# Altium PCB mantarray_beta2_sensor_arrayed.PcbDoc (part 1 of 14) (continued)
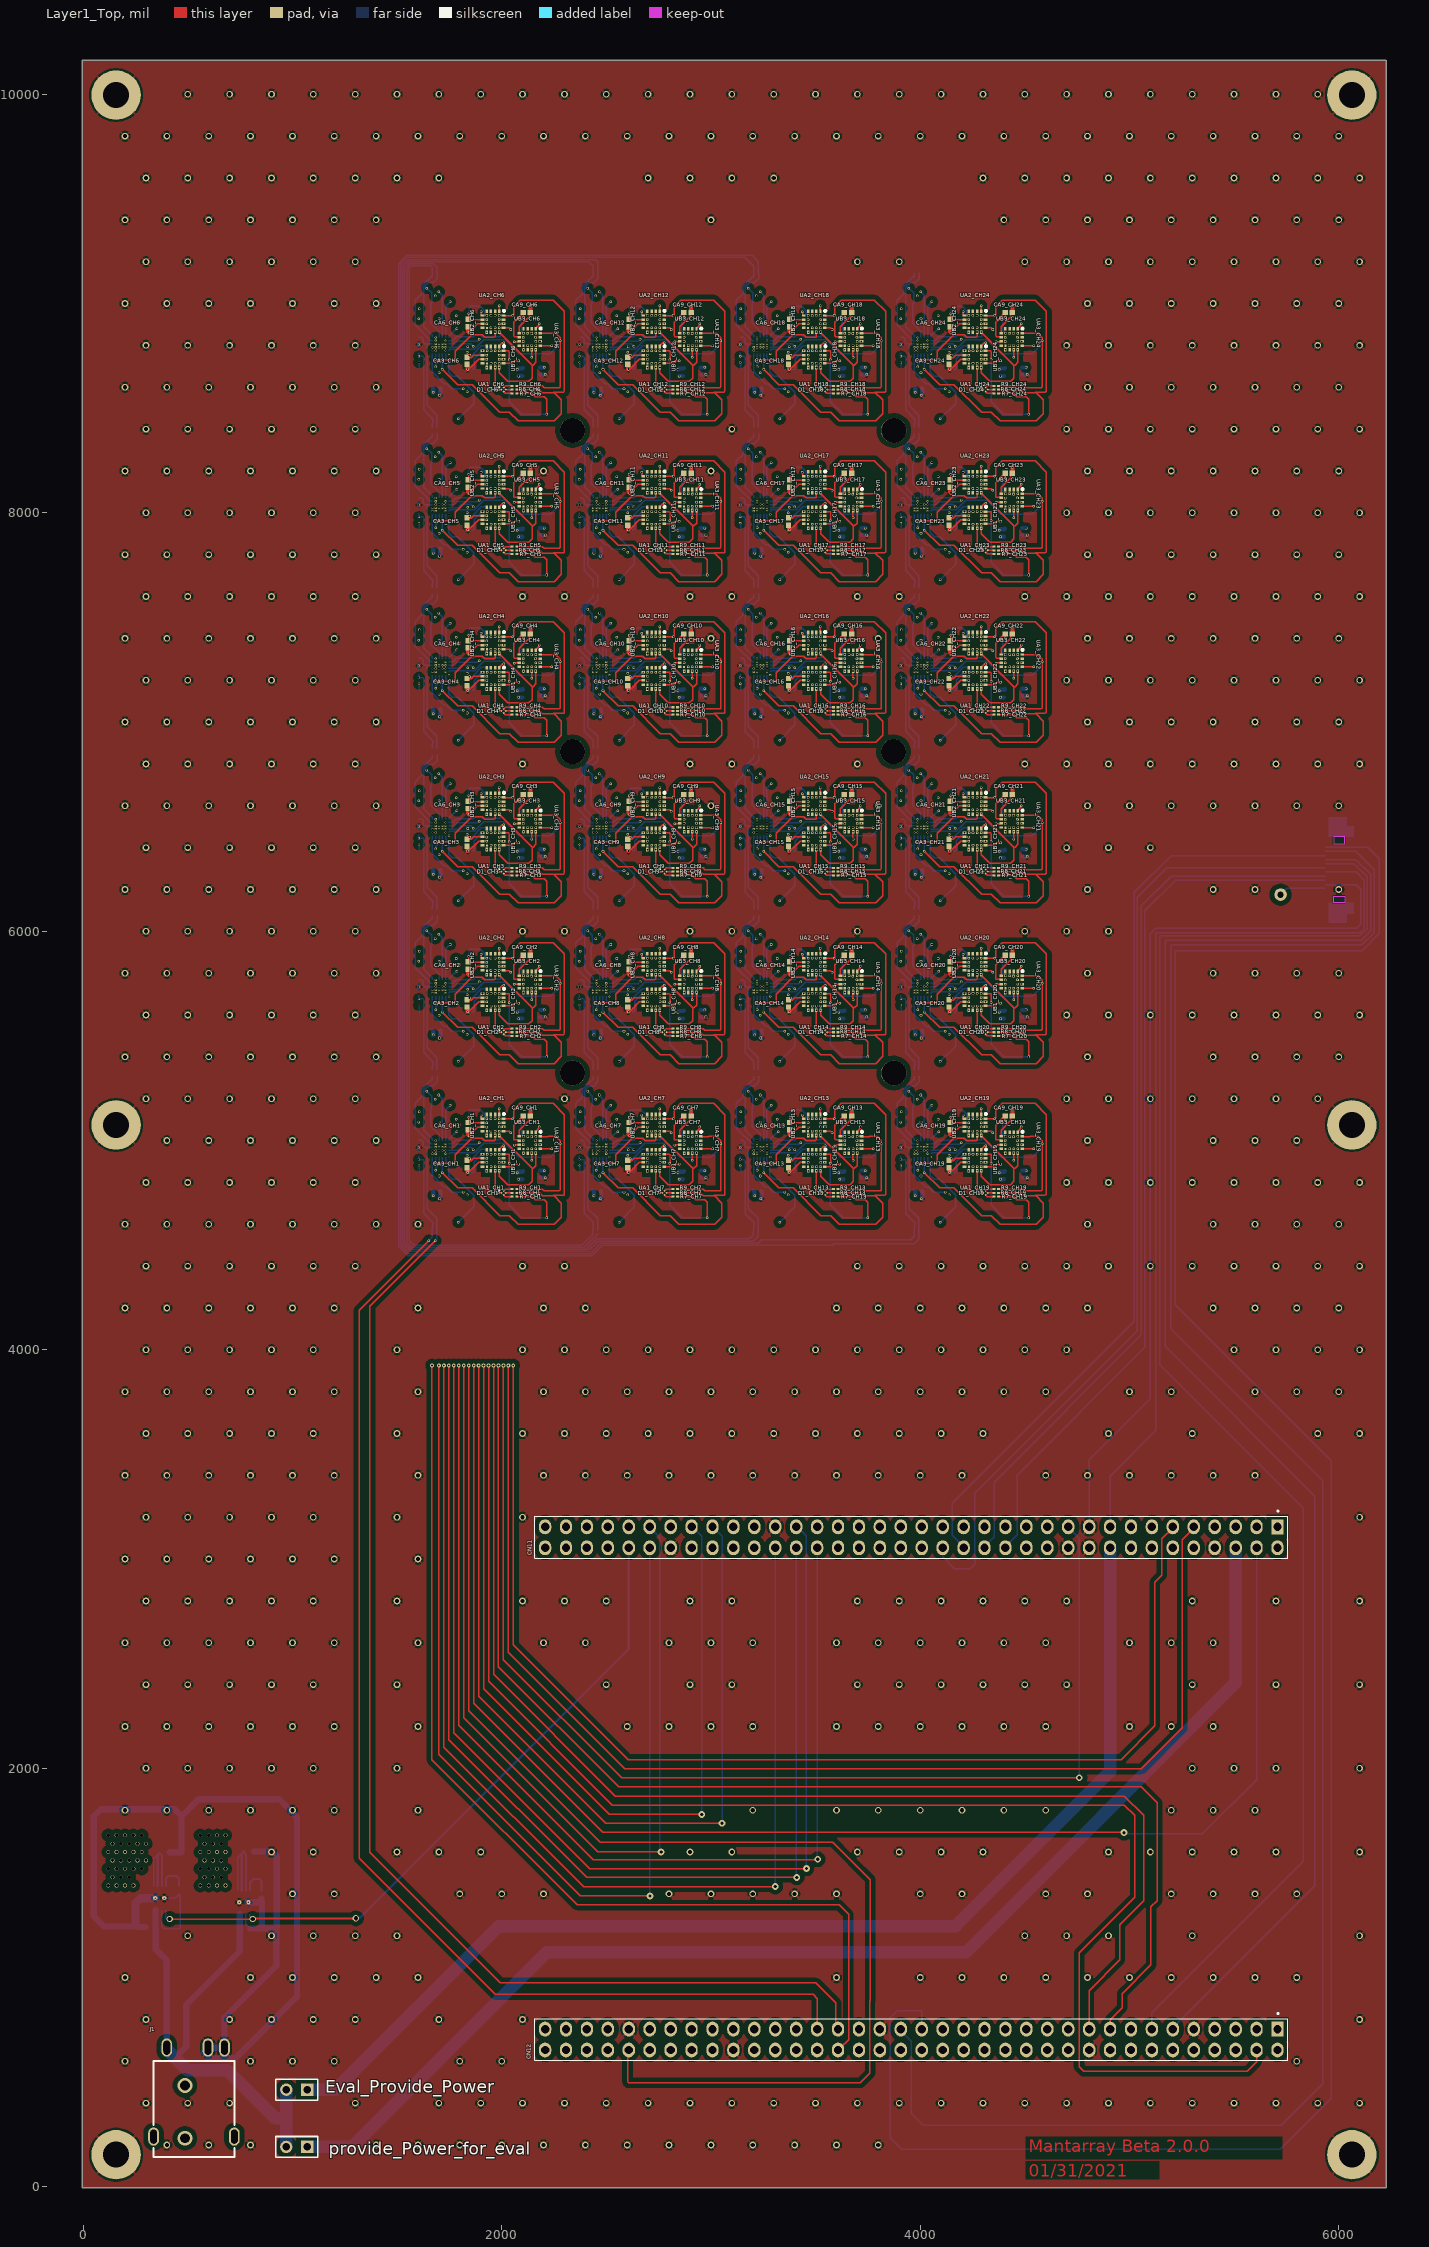
[diagram p0: Layer1_Top view]
## Classes and differential pairs
component class CH24: C1_CH24 C2_CH24 C3_CH24 CA3_CH24 CA6_CH24 CA9_CH24 D1_CH24 R7_CH24 R8_CH24 R9_CH24 R_bt0_CH24 R_rst_CH24 U1_CH24 UA1_CH24 UA2_CH24 UA3_CH24 UB1_CH24 UB2_CH24 UB3_CH24
component class CH23: C1_CH23 C2_CH23 C3_CH23 CA3_CH23 CA6_CH23 CA9_CH23 D1_CH23 R7_CH23 R8_CH23 R9_CH23 R_bt0_CH23 R_rst_CH23 U1_CH23 UA1_CH23 UA2_CH23 UA3_CH23 UB1_CH23 UB2_CH23 UB3_CH23
component class CH22: C1_CH22 C2_CH22 C3_CH22 CA3_CH22 CA6_CH22 CA9_CH22 D1_CH22 R7_CH22 R8_CH22 R9_CH22 R_bt0_CH22 R_rst_CH22 U1_CH22 UA1_CH22 UA2_CH22 UA3_CH22 UB1_CH22 UB2_CH22 UB3_CH22
component class CH21: C1_CH21 C2_CH21 C3_CH21 CA3_CH21 CA6_CH21 CA9_CH21 D1_CH21 R7_CH21 R8_CH21 R9_CH21 R_bt0_CH21 R_rst_CH21 U1_CH21 UA1_CH21 UA2_CH21 UA3_CH21 UB1_CH21 UB2_CH21 UB3_CH21
component class CH20: C1_CH20 C2_CH20 C3_CH20 CA3_CH20 CA6_CH20 CA9_CH20 D1_CH20 R7_CH20 R8_CH20 R9_CH20 R_bt0_CH20 R_rst_CH20 U1_CH20 UA1_CH20 UA2_CH20 UA3_CH20 UB1_CH20 UB2_CH20 UB3_CH20
component class CH19: C1_CH19 C2_CH19 C3_CH19 CA3_CH19 CA6_CH19 CA9_CH19 D1_CH19 R7_CH19 R8_CH19 R9_CH19 R_bt0_CH19 R_rst_CH19 U1_CH19 UA1_CH19 UA2_CH19 UA3_CH19 UB1_CH19 UB2_CH19 UB3_CH19
component class CH18: C1_CH18 C2_CH18 C3_CH18 CA3_CH18 CA6_CH18 CA9_CH18 D1_CH18 R7_CH18 R8_CH18 R9_CH18 R_bt0_CH18 R_rst_CH18 U1_CH18 UA1_CH18 UA2_CH18 UA3_CH18 UB1_CH18 UB2_CH18 UB3_CH18
component class CH17: C1_CH17 C2_CH17 C3_CH17 CA3_CH17 CA6_CH17 CA9_CH17 D1_CH17 R7_CH17 R8_CH17 R9_CH17 R_bt0_CH17 R_rst_CH17 U1_CH17 UA1_CH17 UA2_CH17 UA3_CH17 UB1_CH17 UB2_CH17 UB3_CH17
component class CH10: C1_CH10 C2_CH10 C3_CH10 CA3_CH10 CA6_CH10 CA9_CH10 D1_CH10 R7_CH10 R8_CH10 R9_CH10 R_bt0_CH10 R_rst_CH10 U1_CH10 UA1_CH10 UA2_CH10 UA3_CH10 UB1_CH10 UB2_CH10 UB3_CH10
component class CH9: C1_CH9 C2_CH9 C3_CH9 CA3_CH9 CA6_CH9 CA9_CH9 D1_CH9 R7_CH9 R8_CH9 R9_CH9 R_bt0_CH9 R_rst_CH9 U1_CH9 UA1_CH9 UA2_CH9 UA3_CH9 UB1_CH9 UB2_CH9 UB3_CH9
component class CH8: C1_CH8 C2_CH8 C3_CH8 CA3_CH8 CA6_CH8 CA9_CH8 D1_CH8 R7_CH8 R8_CH8 R9_CH8 R_bt0_CH8 R_rst_CH8 U1_CH8 UA1_CH8 UA2_CH8 UA3_CH8 UB1_CH8 UB2_CH8 UB3_CH8
component class CH7: C1_CH7 C2_CH7 C3_CH7 CA3_CH7 CA6_CH7 CA9_CH7 D1_CH7 R7_CH7 R8_CH7 R9_CH7 R_bt0_CH7 R_rst_CH7 U1_CH7 UA1_CH7 UA2_CH7 UA3_CH7 UB1_CH7 UB2_CH7 UB3_CH7
component class CH6: C1_CH6 C2_CH6 C3_CH6 CA3_CH6 CA6_CH6 CA9_CH6 D1_CH6 R7_CH6 R8_CH6 R9_CH6 R_bt0_CH6 R_rst_CH6 U1_CH6 UA1_CH6 UA2_CH6 UA3_CH6 UB1_CH6 UB2_CH6 UB3_CH6
component class CH5: C1_CH5 C2_CH5 C3_CH5 CA3_CH5 CA6_CH5 CA9_CH5 D1_CH5 R7_CH5 R8_CH5 R9_CH5 R_bt0_CH5 R_rst_CH5 U1_CH5 UA1_CH5 UA2_CH5 UA3_CH5 UB1_CH5 UB2_CH5 UB3_CH5
component class CH4: C1_CH4 C2_CH4 C3_CH4 CA3_CH4 CA6_CH4 CA9_CH4 D1_CH4 R7_CH4 R8_CH4 R9_CH4 R_bt0_CH4 R_rst_CH4 U1_CH4 UA1_CH4 UA2_CH4 UA3_CH4 UB1_CH4 UB2_CH4 UB3_CH4
component class CH3: C1_CH3 C2_CH3 C3_CH3 CA3_CH3 CA6_CH3 CA9_CH3 D1_CH3 R7_CH3 R8_CH3 R9_CH3 R_bt0_CH3 R_rst_CH3 U1_CH3 UA1_CH3 UA2_CH3 UA3_CH3 UB1_CH3 UB2_CH3 UB3_CH3
component class CH2: C1_CH2 C2_CH2 C3_CH2 CA3_CH2 CA6_CH2 CA9_CH2 D1_CH2 R7_CH2 R8_CH2 R9_CH2 R_bt0_CH2 R_rst_CH2 U1_CH2 UA1_CH2 UA2_CH2 UA3_CH2 UB1_CH2 UB2_CH2 UB3_CH2
component class CH1: C1_CH1 C2_CH1 C3_CH1 CA3_CH1 CA6_CH1 CA9_CH1 D1_CH1 R7_CH1 R8_CH1 R9_CH1 R_bt0_CH1 R_rst_CH1 U1_CH1 UA1_CH1 UA2_CH1 UA3_CH1 UB1_CH1 UB2_CH1 UB3_CH1
net class BUS_C[7..0]: BUS_C0 BUS_C1 BUS_C2 BUS_C3 BUS_C4 BUS_C5 BUS_C6 BUS_C7
net class BUS[15..0]: BUS0 BUS1 BUS2 BUS3 BUS4 BUS5 BUS6 BUS7 BUS8 BUS9 BUS10 BUS11 BUS12 BUS13 BUS14 BUS15
component class STM32H745: Barcode_reader CN11 CN12 CN? Eval_Provide_Power HW? provide_Power_for_eval SB?
component class CH16: C1_CH16 C2_CH16 C3_CH16 CA3_CH16 CA6_CH16 CA9_CH16 D1_CH16 R7_CH16 R8_CH16 R9_CH16 R_bt0_CH16 R_rst_CH16 U1_CH16 UA1_CH16 UA2_CH16 UA3_CH16 UB1_CH16 UB2_CH16 UB3_CH16
component class CH15: C1_CH15 C2_CH15 C3_CH15 CA3_CH15 CA6_CH15 CA9_CH15 D1_CH15 R7_CH15 R8_CH15 R9_CH15 R_bt0_CH15 R_rst_CH15 U1_CH15 UA1_CH15 UA2_CH15 UA3_CH15 UB1_CH15 UB2_CH15 UB3_CH15
component class CH14: C1_CH14 C2_CH14 C3_CH14 CA3_CH14 CA6_CH14 CA9_CH14 D1_CH14 R7_CH14 R8_CH14 R9_CH14 R_bt0_CH14 R_rst_CH14 U1_CH14 UA1_CH14 UA2_CH14 UA3_CH14 UB1_CH14 UB2_CH14 UB3_CH14
component class CH13: C1_CH13 C2_CH13 C3_CH13 CA3_CH13 CA6_CH13 CA9_CH13 D1_CH13 R7_CH13 R8_CH13 R9_CH13 R_bt0_CH13 R_rst_CH13 U1_CH13 UA1_CH13 UA2_CH13 UA3_CH13 UB1_CH13 UB2_CH13 UB3_CH13
component class CH12: C1_CH12 C2_CH12 C3_CH12 CA3_CH12 CA6_CH12 CA9_CH12 D1_CH12 R7_CH12 R8_CH12 R9_CH12 R_bt0_CH12 R_rst_CH12 U1_CH12 UA1_CH12 UA2_CH12 UA3_CH12 UB1_CH12 UB2_CH12 UB3_CH12
component class CH11: C1_CH11 C2_CH11 C3_CH11 CA3_CH11 CA6_CH11 CA9_CH11 D1_CH11 R7_CH11 R8_CH11 R9_CH11 R_bt0_CH11 R_rst_CH11 U1_CH11 UA1_CH11 UA2_CH11 UA3_CH11 UB1_CH11 UB2_CH11 UB3_CH11
channel class Channel: CH1 CH2 CH3 CH4 CH5 CH6 CH7 CH8 CH9 CH10 CH11 CH12 CH13 CH14 CH15 CH16 CH17 CH18 CH19 CH20 CH21 CH22 CH23 CH24
channel class ADP1706_3p3: AVDD DVDD
net class Power: +5V AVDD AVDD_DVDD DVDD_CH2 DVDD_CH3 GND
component class mantarray_beta2_sensor: J1
component class DVDD: C71_DVDD C72_DVDD C73_DVDD U14_DVDD
component class AVDD: C71_AVDD C72_AVDD C73_AVDD U14_AVDD

## Components (designator, comment, footprint, x,y, rotation, side; value= is the part's Value field where it differs from the comment)
Barcode_reader "52746-1271" MOLX-52746-1271 5968.5,6293.31 r270 bottom
C1_CH1 "GRM155R71C104KA88D" CAPC1005X55X25NL05T10 1688.98,4757.87 r180 bottom (schematic designator C1)
C1_CH2 "GRM155R71C104KA88D" CAPC1005X55X25NL05T10 1688.98,5525.59 r180 bottom (schematic designator C1)
C1_CH3 "GRM155R71C104KA88D" CAPC1005X55X25NL05T10 1688.98,6293.31 r180 bottom (schematic designator C1)
C1_CH4 "GRM155R71C104KA88D" CAPC1005X55X25NL05T10 1688.98,7061.02 r180 bottom (schematic designator C1)
C1_CH5 "GRM155R71C104KA88D" CAPC1005X55X25NL05T10 1688.98,7828.74 r180 bottom (schematic designator C1)
C1_CH6 "GRM155R71C104KA88D" CAPC1005X55X25NL05T10 1688.98,8596.46 r180 bottom (schematic designator C1)
C1_CH7 "GRM155R71C104KA88D" CAPC1005X55X25NL05T10 2456.69,4757.87 r180 bottom (schematic designator C1)
C1_CH8 "GRM155R71C104KA88D" CAPC1005X55X25NL05T10 2456.69,5525.59 r180 bottom (schematic designator C1)
C1_CH9 "GRM155R71C104KA88D" CAPC1005X55X25NL05T10 2456.69,6293.31 r180 bottom (schematic designator C1)
C1_CH10 "GRM155R71C104KA88D" CAPC1005X55X25NL05T10 2456.69,7061.02 r180 bottom (schematic designator C1)
C1_CH11 "GRM155R71C104KA88D" CAPC1005X55X25NL05T10 2456.69,7828.74 r180 bottom (schematic designator C1)
C1_CH12 "GRM155R71C104KA88D" CAPC1005X55X25NL05T10 2456.69,8596.46 r180 bottom (schematic designator C1)
C1_CH13 "GRM155R71C104KA88D" CAPC1005X55X25NL05T10 3224.41,4757.87 r180 bottom (schematic designator C1)
C1_CH14 "GRM155R71C104KA88D" CAPC1005X55X25NL05T10 3224.41,5525.59 r180 bottom (schematic designator C1)
C1_CH15 "GRM155R71C104KA88D" CAPC1005X55X25NL05T10 3224.41,6293.31 r180 bottom (schematic designator C1)
C1_CH16 "GRM155R71C104KA88D" CAPC1005X55X25NL05T10 3224.41,7061.02 r180 bottom (schematic designator C1)
C1_CH17 "GRM155R71C104KA88D" CAPC1005X55X25NL05T10 3224.41,7828.74 r180 bottom (schematic designator C1)
C1_CH18 "GRM155R71C104KA88D" CAPC1005X55X25NL05T10 3224.41,8596.46 r180 bottom (schematic designator C1)
C1_CH19 "GRM155R71C104KA88D" CAPC1005X55X25NL05T10 3992.13,4757.87 r180 bottom (schematic designator C1)
C1_CH20 "GRM155R71C104KA88D" CAPC1005X55X25NL05T10 3992.13,5525.59 r180 bottom (schematic designator C1)
C1_CH21 "GRM155R71C104KA88D" CAPC1005X55X25NL05T10 3992.13,6293.31 r180 bottom (schematic designator C1)
C1_CH22 "GRM155R71C104KA88D" CAPC1005X55X25NL05T10 3992.13,7061.02 r180 bottom (schematic designator C1)
C1_CH23 "GRM155R71C104KA88D" CAPC1005X55X25NL05T10 3992.13,7828.74 r180 bottom (schematic designator C1)
C1_CH24 "GRM155R71C104KA88D" CAPC1005X55X25NL05T10 3992.13,8596.46 r180 bottom (schematic designator C1)
C2_CH1 "GRM155R71C104KA88D" CAPC1005X55X25NL05T10 2183.07,4838.58 r90 bottom (schematic designator C2)
C2_CH2 "GRM155R71C104KA88D" CAPC1005X55X25NL05T10 2183.07,5606.3 r90 bottom (schematic designator C2)
C2_CH3 "GRM155R71C104KA88D" CAPC1005X55X25NL05T10 2183.07,6374.02 r90 bottom (schematic designator C2)
C2_CH4 "GRM155R71C104KA88D" CAPC1005X55X25NL05T10 2183.07,7141.73 r90 bottom (schematic designator C2)
C2_CH5 "GRM155R71C104KA88D" CAPC1005X55X25NL05T10 2183.07,7909.45 r90 bottom (schematic designator C2)
C2_CH6 "GRM155R71C104KA88D" CAPC1005X55X25NL05T10 2183.07,8677.17 r90 bottom (schematic designator C2)
C2_CH7 "GRM155R71C104KA88D" CAPC1005X55X25NL05T10 2950.79,4838.58 r90 bottom (schematic designator C2)
C2_CH8 "GRM155R71C104KA88D" CAPC1005X55X25NL05T10 2950.79,5606.3 r90 bottom (schematic designator C2)
C2_CH9 "GRM155R71C104KA88D" CAPC1005X55X25NL05T10 2950.79,6374.02 r90 bottom (schematic designator C2)
C2_CH10 "GRM155R71C104KA88D" CAPC1005X55X25NL05T10 2950.79,7141.73 r90 bottom (schematic designator C2)
C2_CH11 "GRM155R71C104KA88D" CAPC1005X55X25NL05T10 2950.79,7909.45 r90 bottom (schematic designator C2)
C2_CH12 "GRM155R71C104KA88D" CAPC1005X55X25NL05T10 2950.79,8677.17 r90 bottom (schematic designator C2)
C2_CH13 "GRM155R71C104KA88D" CAPC1005X55X25NL05T10 3718.5,4838.58 r90 bottom (schematic designator C2)
C2_CH14 "GRM155R71C104KA88D" CAPC1005X55X25NL05T10 3718.5,5606.3 r90 bottom (schematic designator C2)
C2_CH15 "GRM155R71C104KA88D" CAPC1005X55X25NL05T10 3718.5,6374.02 r90 bottom (schematic designator C2)
C2_CH16 "GRM155R71C104KA88D" CAPC1005X55X25NL05T10 3718.5,7141.73 r90 bottom (schematic designator C2)
C2_CH17 "GRM155R71C104KA88D" CAPC1005X55X25NL05T10 3718.5,7909.45 r90 bottom (schematic designator C2)
C2_CH18 "GRM155R71C104KA88D" CAPC1005X55X25NL05T10 3718.5,8677.17 r90 bottom (schematic designator C2)
C2_CH19 "GRM155R71C104KA88D" CAPC1005X55X25NL05T10 4486.22,4838.58 r90 bottom (schematic designator C2)
C2_CH20 "GRM155R71C104KA88D" CAPC1005X55X25NL05T10 4486.22,5606.3 r90 bottom (schematic designator C2)
C2_CH21 "GRM155R71C104KA88D" CAPC1005X55X25NL05T10 4486.22,6374.02 r90 bottom (schematic designator C2)
C2_CH22 "GRM155R71C104KA88D" CAPC1005X55X25NL05T10 4486.22,7141.73 r90 bottom (schematic designator C2)
C2_CH23 "GRM155R71C104KA88D" CAPC1005X55X25NL05T10 4486.22,7909.45 r90 bottom (schematic designator C2)
C2_CH24 "GRM155R71C104KA88D" CAPC1005X55X25NL05T10 4486.22,8677.17 r90 bottom (schematic designator C2)
C3_CH1 "GRM155R71C104KA88D" CAPC1005X55X25NL05T10 2102.36,4836.61 r90 bottom (schematic designator C3)
C3_CH2 "GRM155R71C104KA88D" CAPC1005X55X25NL05T10 2102.36,5604.33 r90 bottom (schematic designator C3)
C3_CH3 "GRM155R71C104KA88D" CAPC1005X55X25NL05T10 2102.36,6372.05 r90 bottom (schematic designator C3)
C3_CH4 "GRM155R71C104KA88D" CAPC1005X55X25NL05T10 2102.36,7139.76 r90 bottom (schematic designator C3)
C3_CH5 "GRM155R71C104KA88D" CAPC1005X55X25NL05T10 2102.36,7907.48 r90 bottom (schematic designator C3)
C3_CH6 "GRM155R71C104KA88D" CAPC1005X55X25NL05T10 2102.36,8675.2 r90 bottom (schematic designator C3)
C3_CH7 "GRM155R71C104KA88D" CAPC1005X55X25NL05T10 2870.08,4836.61 r90 bottom (schematic designator C3)
C3_CH8 "GRM155R71C104KA88D" CAPC1005X55X25NL05T10 2870.08,5604.33 r90 bottom (schematic designator C3)
C3_CH9 "GRM155R71C104KA88D" CAPC1005X55X25NL05T10 2870.08,6372.05 r90 bottom (schematic designator C3)
C3_CH10 "GRM155R71C104KA88D" CAPC1005X55X25NL05T10 2870.08,7139.76 r90 bottom (schematic designator C3)
C3_CH11 "GRM155R71C104KA88D" CAPC1005X55X25NL05T10 2870.08,7907.48 r90 bottom (schematic designator C3)
C3_CH12 "GRM155R71C104KA88D" CAPC1005X55X25NL05T10 2870.08,8675.2 r90 bottom (schematic designator C3)
C3_CH13 "GRM155R71C104KA88D" CAPC1005X55X25NL05T10 3637.8,4836.61 r90 bottom (schematic designator C3)
C3_CH14 "GRM155R71C104KA88D" CAPC1005X55X25NL05T10 3637.8,5604.33 r90 bottom (schematic designator C3)
C3_CH15 "GRM155R71C104KA88D" CAPC1005X55X25NL05T10 3637.8,6372.05 r90 bottom (schematic designator C3)
C3_CH16 "GRM155R71C104KA88D" CAPC1005X55X25NL05T10 3637.8,7139.76 r90 bottom (schematic designator C3)
C3_CH17 "GRM155R71C104KA88D" CAPC1005X55X25NL05T10 3637.8,7907.48 r90 bottom (schematic designator C3)
C3_CH18 "GRM155R71C104KA88D" CAPC1005X55X25NL05T10 3637.8,8675.2 r90 bottom (schematic designator C3)
C3_CH19 "GRM155R71C104KA88D" CAPC1005X55X25NL05T10 4405.51,4836.61 r90 bottom (schematic designator C3)
C3_CH20 "GRM155R71C104KA88D" CAPC1005X55X25NL05T10 4405.51,5604.33 r90 bottom (schematic designator C3)
C3_CH21 "GRM155R71C104KA88D" CAPC1005X55X25NL05T10 4405.51,6372.05 r90 bottom (schematic designator C3)
C3_CH22 "GRM155R71C104KA88D" CAPC1005X55X25NL05T10 4405.51,7139.76 r90 bottom (schematic designator C3)
C3_CH23 "GRM155R71C104KA88D" CAPC1005X55X25NL05T10 4405.51,7907.48 r90 bottom (schematic designator C3)
C3_CH24 "GRM155R71C104KA88D" CAPC1005X55X25NL05T10 4405.51,8675.2 r90 bottom (schematic designator C3)
C71_AVDD "GRM188R61E475KE11D" CAPC1608X90X35LL10T15 773.62,1234.25 r180 bottom (schematic designator C71)
C71_DVDD "GRM188R61E475KE11D" CAPC1608X90X35LL10T15 320.87,1242.13 r0 bottom (schematic designator C71)
C72_AVDD "GRM188R61E475KE11D" CAPC1608X90X35LL10T15 791.34,1602.36 r180 bottom (schematic designator C72)
C72_DVDD "GRM188R61E475KE11D" CAPC1608X90X35LL10T15 389.76,1598.43 r180 bottom (schematic designator C72)
C73_AVDD "CC0402KRX7R7BB103" FP-CC0402-MFG 852.36,1397.64 r270 bottom value="10 nF" (schematic designator C73)
C73_DVDD "CC0402KRX7R7BB103" FP-CC0402-MFG 458.66,1417.32 r270 bottom value="10 nF" (schematic designator C73)
CA3_CH1 "GRM155R71C104KA88D" CAPC1005X55X25NL05T10 1834.65,4887.8 r90 top (schematic designator CA3)
CA3_CH2 "GRM155R71C104KA88D" CAPC1005X55X25NL05T10 1834.65,5655.51 r90 top (schematic designator CA3)
CA3_CH3 "GRM155R71C104KA88D" CAPC1005X55X25NL05T10 1834.65,6423.23 r90 top (schematic designator CA3)
CA3_CH4 "GRM155R71C104KA88D" CAPC1005X55X25NL05T10 1834.65,7190.94 r90 top (schematic designator CA3)
CA3_CH5 "GRM155R71C104KA88D" CAPC1005X55X25NL05T10 1834.65,7958.66 r90 top (schematic designator CA3)
CA3_CH6 "GRM155R71C104KA88D" CAPC1005X55X25NL05T10 1834.65,8726.38 r90 top (schematic designator CA3)
CA3_CH7 "GRM155R71C104KA88D" CAPC1005X55X25NL05T10 2602.36,4887.8 r90 top (schematic designator CA3)
CA3_CH8 "GRM155R71C104KA88D" CAPC1005X55X25NL05T10 2602.36,5655.51 r90 top (schematic designator CA3)
CA3_CH9 "GRM155R71C104KA88D" CAPC1005X55X25NL05T10 2602.36,6423.23 r90 top (schematic designator CA3)
CA3_CH10 "GRM155R71C104KA88D" CAPC1005X55X25NL05T10 2602.36,7190.94 r90 top (schematic designator CA3)
CA3_CH11 "GRM155R71C104KA88D" CAPC1005X55X25NL05T10 2602.36,7958.66 r90 top (schematic designator CA3)
CA3_CH12 "GRM155R71C104KA88D" CAPC1005X55X25NL05T10 2602.36,8726.38 r90 top (schematic designator CA3)
CA3_CH13 "GRM155R71C104KA88D" CAPC1005X55X25NL05T10 3370.08,4887.8 r90 top (schematic designator CA3)
CA3_CH14 "GRM155R71C104KA88D" CAPC1005X55X25NL05T10 3370.08,5655.51 r90 top (schematic designator CA3)
CA3_CH15 "GRM155R71C104KA88D" CAPC1005X55X25NL05T10 3370.08,6423.23 r90 top (schematic designator CA3)
CA3_CH16 "GRM155R71C104KA88D" CAPC1005X55X25NL05T10 3370.08,7190.94 r90 top (schematic designator CA3)
CA3_CH17 "GRM155R71C104KA88D" CAPC1005X55X25NL05T10 3370.08,7958.66 r90 top (schematic designator CA3)
CA3_CH18 "GRM155R71C104KA88D" CAPC1005X55X25NL05T10 3370.08,8726.38 r90 top (schematic designator CA3)
CA3_CH19 "GRM155R71C104KA88D" CAPC1005X55X25NL05T10 4137.8,4887.8 r90 top (schematic designator CA3)
CA3_CH20 "GRM155R71C104KA88D" CAPC1005X55X25NL05T10 4137.8,5655.51 r90 top (schematic designator CA3)
CA3_CH21 "GRM155R71C104KA88D" CAPC1005X55X25NL05T10 4137.8,6423.23 r90 top (schematic designator CA3)
CA3_CH22 "GRM155R71C104KA88D" CAPC1005X55X25NL05T10 4137.8,7190.94 r90 top (schematic designator CA3)
CA3_CH23 "GRM155R71C104KA88D" CAPC1005X55X25NL05T10 4137.8,7958.66 r90 top (schematic designator CA3)
CA3_CH24 "GRM155R71C104KA88D" CAPC1005X55X25NL05T10 4137.8,8726.38 r90 top (schematic designator CA3)
CA6_CH1 "GRM155R71C104KA88D" CAPC1005X55X25NL05T10 1840.55,5068.9 r90 top (schematic designator CA6)
CA6_CH2 "GRM155R71C104KA88D" CAPC1005X55X25NL05T10 1840.55,5836.61 r90 top (schematic designator CA6)
CA6_CH3 "GRM155R71C104KA88D" CAPC1005X55X25NL05T10 1840.55,6604.33 r90 top (schematic designator CA6)
CA6_CH4 "GRM155R71C104KA88D" CAPC1005X55X25NL05T10 1840.55,7372.05 r90 top (schematic designator CA6)
CA6_CH5 "GRM155R71C104KA88D" CAPC1005X55X25NL05T10 1840.55,8139.76 r90 top (schematic designator CA6)
CA6_CH6 "GRM155R71C104KA88D" CAPC1005X55X25NL05T10 1840.55,8907.48 r90 top (schematic designator CA6)
CA6_CH7 "GRM155R71C104KA88D" CAPC1005X55X25NL05T10 2608.27,5068.9 r90 top (schematic designator CA6)
CA6_CH8 "GRM155R71C104KA88D" CAPC1005X55X25NL05T10 2608.27,5836.61 r90 top (schematic designator CA6)
CA6_CH9 "GRM155R71C104KA88D" CAPC1005X55X25NL05T10 2608.27,6604.33 r90 top (schematic designator CA6)
CA6_CH10 "GRM155R71C104KA88D" CAPC1005X55X25NL05T10 2608.27,7372.05 r90 top (schematic designator CA6)
CA6_CH11 "GRM155R71C104KA88D" CAPC1005X55X25NL05T10 2608.27,8139.76 r90 top (schematic designator CA6)
CA6_CH12 "GRM155R71C104KA88D" CAPC1005X55X25NL05T10 2608.27,8907.48 r90 top (schematic designator CA6)
CA6_CH13 "GRM155R71C104KA88D" CAPC1005X55X25NL05T10 3375.98,5068.9 r90 top (schematic designator CA6)
CA6_CH14 "GRM155R71C104KA88D" CAPC1005X55X25NL05T10 3375.98,5836.61 r90 top (schematic designator CA6)
CA6_CH15 "GRM155R71C104KA88D" CAPC1005X55X25NL05T10 3375.98,6604.33 r90 top (schematic designator CA6)
CA6_CH16 "GRM155R71C104KA88D" CAPC1005X55X25NL05T10 3375.98,7372.05 r90 top (schematic designator CA6)
CA6_CH17 "GRM155R71C104KA88D" CAPC1005X55X25NL05T10 3375.98,8139.76 r90 top (schematic designator CA6)
CA6_CH18 "GRM155R71C104KA88D" CAPC1005X55X25NL05T10 3375.98,8907.48 r90 top (schematic designator CA6)
CA6_CH19 "GRM155R71C104KA88D" CAPC1005X55X25NL05T10 4143.7,5068.9 r90 top (schematic designator CA6)
CA6_CH20 "GRM155R71C104KA88D" CAPC1005X55X25NL05T10 4143.7,5836.61 r90 top (schematic designator CA6)
CA6_CH21 "GRM155R71C104KA88D" CAPC1005X55X25NL05T10 4143.7,6604.33 r90 top (schematic designator CA6)
CA6_CH22 "GRM155R71C104KA88D" CAPC1005X55X25NL05T10 4143.7,7372.05 r90 top (schematic designator CA6)
CA6_CH23 "GRM155R71C104KA88D" CAPC1005X55X25NL05T10 4143.7,8139.76 r90 top (schematic designator CA6)
CA6_CH24 "GRM155R71C104KA88D" CAPC1005X55X25NL05T10 4143.7,8907.48 r90 top (schematic designator CA6)
CA9_CH1 "GRM155R71C104KA88D" CAPC1005X55X25NL05T10 2120.08,5118.11 r180 top (schematic designator CA9)
CA9_CH2 "GRM155R71C104KA88D" CAPC1005X55X25NL05T10 2120.08,5885.83 r180 top (schematic designator CA9)
CA9_CH3 "GRM155R71C104KA88D" CAPC1005X55X25NL05T10 2120.08,6653.54 r180 top (schematic designator CA9)
CA9_CH4 "GRM155R71C104KA88D" CAPC1005X55X25NL05T10 2120.08,7421.26 r180 top (schematic designator CA9)
CA9_CH5 "GRM155R71C104KA88D" CAPC1005X55X25NL05T10 2120.08,8188.98 r180 top (schematic designator CA9)
CA9_CH6 "GRM155R71C104KA88D" CAPC1005X55X25NL05T10 2120.08,8956.69 r180 top (schematic designator CA9)
CA9_CH7 "GRM155R71C104KA88D" CAPC1005X55X25NL05T10 2887.8,5118.11 r180 top (schematic designator CA9)
CA9_CH8 "GRM155R71C104KA88D" CAPC1005X55X25NL05T10 2887.8,5885.83 r180 top (schematic designator CA9)
CA9_CH9 "GRM155R71C104KA88D" CAPC1005X55X25NL05T10 2887.8,6653.54 r180 top (schematic designator CA9)
CA9_CH10 "GRM155R71C104KA88D" CAPC1005X55X25NL05T10 2887.8,7421.26 r180 top (schematic designator CA9)
CA9_CH11 "GRM155R71C104KA88D" CAPC1005X55X25NL05T10 2887.8,8188.98 r180 top (schematic designator CA9)
CA9_CH12 "GRM155R71C104KA88D" CAPC1005X55X25NL05T10 2887.8,8956.69 r180 top (schematic designator CA9)
CA9_CH13 "GRM155R71C104KA88D" CAPC1005X55X25NL05T10 3655.51,5118.11 r180 top (schematic designator CA9)
CA9_CH14 "GRM155R71C104KA88D" CAPC1005X55X25NL05T10 3655.51,5885.83 r180 top (schematic designator CA9)
CA9_CH15 "GRM155R71C104KA88D" CAPC1005X55X25NL05T10 3655.51,6653.54 r180 top (schematic designator CA9)
CA9_CH16 "GRM155R71C104KA88D" CAPC1005X55X25NL05T10 3655.51,7421.26 r180 top (schematic designator CA9)
CA9_CH17 "GRM155R71C104KA88D" CAPC1005X55X25NL05T10 3655.51,8188.98 r180 top (schematic designator CA9)